# Altium PCB 2m_DBoard_RX.PcbDoc (part 1 of 3) (continued)
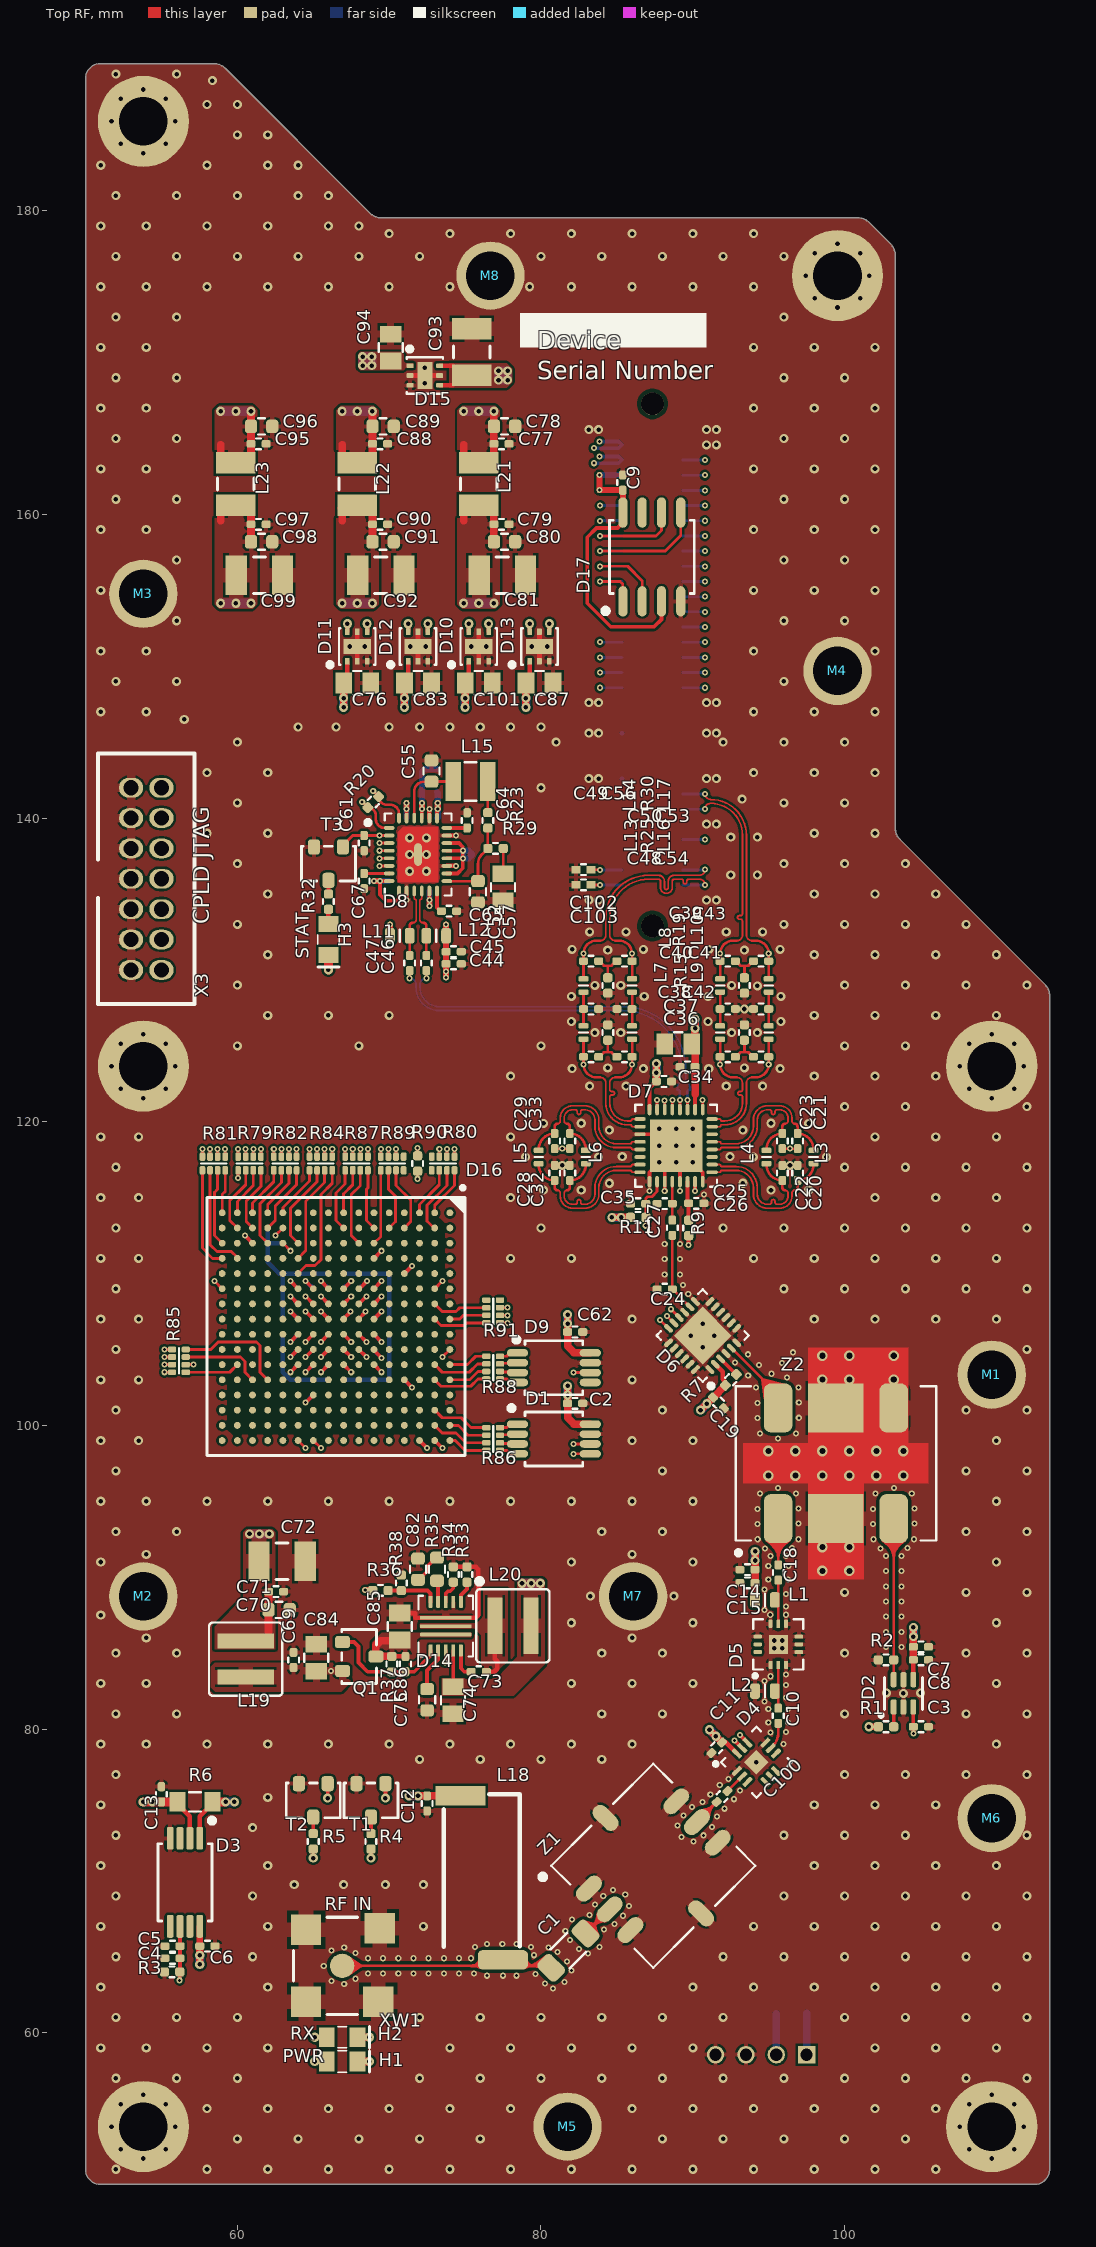
[diagram p0: Top RF view]
## Components (designator, comment, footprint, x,y, rotation, side; value= is the part's Value field where it differs from the comment) (continued)
C95 "CAP" C0402#1 61.4,164.65 r180 top value=0.1uF
C96 "CAP" C0603 61.6,165.8 r180 top value=220pF
C97 "CAP" C0402#1 61.4,159.35 r180 top value=0.1uF
C98 "CAP" C0603 61.6,158.2 r180 top value=220pF
C99 "CAP uF" C1210 61.45,156 r180 top value=100uF
C100 "CAP" C0402#1 91.929,75.554 r45 top value=1000pF
C101 "CAP" C0805 75.9,148.9 r0 top value=1uF
C102 "CAP" C0402#2 82.8,136.6 r0 top value=10nF
C103 "CAP" C0402#2 82.8,135.6 r0 top value=10nF
C200 "CAP" C0402#1 66,109.5 r270 bottom value=0.1uF
C201 "CAP" C0402#1 65,109.5 r270 bottom value=0.1uF
C202 "CAP" C0402#1 63.5,108 r0 bottom value=0.1uF
C203 "CAP" C0402#1 63.5,107 r0 bottom value=0.1uF
C204 "CAP" C0402#1 66,103.5 r90 bottom value=0.1uF
C205 "CAP" C0402#1 65,103.5 r90 bottom value=0.1uF
C206 "CAP" C0402#1 63.5,105 r0 bottom value=0.1uF
C207 "CAP" C0402#1 63.5,106 r0 bottom value=0.1uF
C208 "CAP" C0402#1 69.5,108 r180 bottom value=0.1uF
C209 "CAP" C0402#1 69.5,107 r180 bottom value=0.1uF
C210 "CAP" C0402#1 68,109.5 r270 bottom value=0.1uF
C211 "CAP" C0402#1 67,109.5 r270 bottom value=0.1uF
C212 "CAP" C0402#1 69.5,105 r180 bottom value=0.1uF
C213 "CAP" C0402#1 69.5,106 r180 bottom value=0.1uF
C214 "CAP" C0402#1 67,103.5 r90 bottom value=0.1uF
C215 "CAP" C0402#1 68.5,111 r180 bottom value=1uF
C216 "CAP" C0402#1 61.5,112 r0 bottom value=0.1uF
C217 "CAP" C0402#1 65.5,102 r0 bottom value=0.1uF
C218 "CAP" C0402#1 70.5,103 r180 bottom value=0.1uF
C219 "CAP" C0402#1 70.5,110 r180 bottom value=0.1uF
D1 "AD7922" MSOP-8 80.85,99.1 r0 top
D2 "LT5534" SC70 103.875,82.35 r90 top
D3 "INA168-Q1" "TSSOP (8)" 56.55,69.9 r270 top
D4 "PE43205" QFN-12 94.191,77.811 r45 top
D5 "PMA3-83LNW+" DQ1225 95.63,85.575 r90 top
D6 "PE43711" QFN-24 90.648,105.917 r135 top
D7 "LTC5594" QFN-32 88.9,118.425 r90 top
D8 "LTC6948-1" QFN-28 71.9,137.6 r0 top
D9 "AD7922" MSOP-8 80.85,103.8 r0 top
D10 "LP5912" WSON-6 75.9,151.3 r90 top
D11 "LP5912" WSON-6 67.9,151.3 r90 top
D12 "LP5912" WSON-6 71.9,151.3 r90 top
D13 "LP5912" WSON-6 79.9,151.3 r90 top
D14 "TPS611781" TPS611781x 73.725,86.775 r270 top
D15 "LP5912" WSON-6 72.35,169.15 r0 top
D16 "XC2C256-7FTG256C" FTG256 66.5,106.5 r270 top
D17 "24LC024" SOIC_SN8 87.3,157.2 r90 top
H1 "PWR" LED_0805_Green 66.9,58.1 r0 top
H2 "RX" LED_0805_Green 66.9,59.7 r0 top
H3 "STAT" LED_0805_Green 66,132 r270 top
L1 "Inductor RF" L0603_HP 94.75,88.5 r180 top value=82nH
L2 "Inductor RF" L0603_HP 94.75,82.5 r0 top value=18nH
L3 "Inductor RF" L0402HPH 97.95,117.675 r90 top value=68nH
L4 "Inductor RF" L0402HPH 94.85,117.675 r90 top value=68nH
L5 "Inductor RF" L0402HPH 79.85,117.675 r90 top value=68nH
L6 "Inductor RF" L0402HPH 82.95,117.675 r90 top value=68nH
L7 "Inductor RF" L0402HPH 91.8,125.875 r90 top value=120nH
L8 "Inductor RF" L0402HPH 91.8,128.975 r90 top value=120nH
L9 "Inductor RF" L0402HPH 95,125.875 r90 top value=120nH
L10 "Inductor RF" L0402HPH 95,128.975 r90 top value=120nH
L11 "Inductor RF" L0603_HP 70.7,132.25 r180 top value=180nH
L12 "Inductor RF" L0603_HP 73.1,132.25 r0 top value=180nH
L13 "Inductor RF" L0402HPH 82.8,125.875 r90 top value=120nH
L14 "Inductor RF" L0402HPH 82.8,128.975 r90 top value=120nH
L15 "Inductor" L1008_LS 75.35,142.409 r180 top value=5.6uH
L16 "Inductor RF" L0402HPH 86,125.875 r90 top value=120nH
L17 "Inductor RF" L0402HPH 86,128.975 r90 top value=120nH
L18 "Inductor RF" 4310LC 76.095,70.2 r270 top value=1.3uH
L19 "Inductor PWR" XAL4020 60.55,84.6 r90 top value=2.2uH
L20 "Inductor PWR" XAL4030 78.15,86.8 r180 top value=4.7uH
L21 "Inductor LF" "L1210_Murata LQH" 75.9,162 r270 top value=1uH
L22 "Inductor LF" "L1210_Murata LQH" 67.9,162 r270 top value=1uH
L23 "Inductor LF" "L1210_Murata LQH" 59.9,162 r270 top value=1uH
M1 "Via" Mechanical_Via_2.6x4.2 109.69,103.34 r0 top
M2 "Via" Mechanical_Via_2.6x4.2 53.81,88.735 r0 top
M3 "Via" Mechanical_Via_2.6x4.2 53.81,154.775 r0 top
M4 "Via" Mechanical_Via_2.6x4.2 99.53,149.695 r0 top
M5 "Via" Mechanical_Via_2.6x4.2 81.75,53.81 r0 top
M6 "Via" Mechanical_Via_2.6x4.2 109.69,74.13 r0 top
M7 "Via" Mechanical_Via_2.6x4.2 86.068,88.735 r0 top
M8 "Via" Mechanical_Via_2.6x4.2 76.67,175.73 r0 top
Q1 "IRLML2244" SOT-23 68.025,84.775 r90 top
R1 "RES" R0402 102.725,80.15 r0 top value=1k
R2 "RES" R0402 102.725,84.55 r180 top value=49.9
R3 "RES" R0402 55.7,64 r0 top value=100k
R4 "RES" R0402 68.8,72.6 r270 top value=68
R5 "RES" R0402 65,72.6 r90 top value=68
R6 "RES" R0805 57.2,75.2 r0 top value=0.1
R7 "RES" R0402 92.504,103 r45 top value=1k
R8 "RES" R0402 96.9,117.675 r270 bottom value=49.9
R9 "RES" R0402 89.725,113 r90 top value=33
R10 "RES" R0402 80.9,117.675 r270 bottom value=49.9
R11 "RES" R0402 86.4,113.7 r0 top value=40.2k
R12 "RES" R0402 92.3,124.275 r0 bottom value=68.1
R13 "RES" R0402 92.3,130.575 r0 bottom value=200
R14 "RES" R0402 93.4,125.875 r270 bottom value=91
R15 "RES" R0402 93.4,125.875 r90 top value=24.9
R16 "RES" R0402 94.5,124.275 r0 bottom value=68.1
R17 "RES" R0402 93.4,128.975 r270 bottom value=0
R18 "RES" R0402 94.5,130.575 r0 bottom value=200
R19 "RES" R0402 93.4,128.975 r270 top value=24.9
R20 "RES" R0402 68.95,141.05 r225 top value=100
R21 "RES" R0402 83.3,124.275 r0 bottom value=68.1
R22 "RES" R0402 83.3,130.575 r0 bottom value=200
R23 "RES" R0402 76.5,139.85 r270 top value=47
R24 "RES" R0402 84.4,125.875 r270 bottom value=91
R25 "RES" R0402 84.4,125.875 r90 top value=24.9
R26 "RES" R0402 85.5,124.275 r0 bottom value=68.1
R27 "RES" R0402 84.4,128.975 r270 bottom value=0
R28 "RES" R0402 85.5,130.575 r0 bottom value=200
R29 "RES" R0402 77.008,138 r0 top value=28.7
R30 "RES" R0402 84.4,128.975 r270 top value=24.9
R31 "RES" R0603 73.15,142.462 r270 bottom value=15
R32 "RES" R0402 66,134.5 r270 top value=68
R33 "RES" R0402 75.125,90.175 r270 top value=71.5k
R34 "RES" R0402 74.225,90.175 r270 top value=681k
R35 "RES" R0603 73.15,90.525 r270 top value=23.7k
R36 "RES" R0402 69.425,89.125 r180 top value=732k
R37 "RES" R0402 70.175,84.275 r90 top value=178k
R38 "RES" R0402 70.8,89.625 r270 top value=80.6k
R79 "RES 4x0402" EXN8V 60.8,117.25 r0 top value=33
R80 "RES 4x0402" EXN8V 73.55,117.25 r0 top value=33
R81 "RES 4x0402" EXN8V 58.45,117.25 r0 top value=33
R82 "RES 4x0402" EXN8V 63.15,117.25 r0 top value=33
R84 "RES 4x0402" EXN8V 65.5,117.25 r0 top value=33
R85 "RES 4x0402" EXN8V 56.15,104.25 r90 top value=33
R86 "RES 4x0402" EXN8V 76.85,99.1 r90 top value=33
R87 "RES 4x0402" EXN8V 67.85,117.25 r0 top value=33
R88 "RES 4x0402" EXN8V 76.85,103.8 r270 top value=33
R89 "RES 4x0402" EXN8V 70.2,117.25 r0 top value=33
R90 "RES" R0402 71.875,117.25 r90 top value=33
R91 "RES 4x0402" EXN8V 76.85,107.5 r270 top value=33
T1 "2N7002" SOT-23 68.8,75.3 r0 top
T2 "2N7002" SOT-23 65,75.3 r0 top
T3 "2N7002" SOT-23 66,137 r0 top
X1 "DBoard" "DBoard - half - MB" 87.338,150.33 r180 bottom locked value="Molex 714390164"
X2 "353630460" CON_353630460 97.498,58.547 r0 bottom
X3 "JTAG" "JTAG Mail 2mm" 54,136 r270 top
XW1 "50 Ом" "MOLEX SD-73251-135 (Gold)" 66.9,64.4 r0 top
Z1 "RHP-260+" GP731 87.4,71 r315 top
Z2 "SYD-20-33+" AH202 99.425,97.5 r0 top value=RHP-260+

## Footprints (in the part's own frame and the unit in brackets; to place one, negate y for a bottom-side part, rotate by r counter-clockwise, add the part's x,y. Pads: shape width x height; smd on the part's side, far side on the other; paste and mask are expansions set on the pad)
4310LC [mm] "Wideband Bias Choke"
  rect 1.27x3.3 smd: 1(-5.4,-1.395)
  rrect50% 1.27x3.3 smd: 2(5.4,1.395)
  silkscreen extent -5.5,-2.5 4.55,2.5, body extent -5.62,-2.49 5.67,2.59, height 3.39
AH202 [mil] "Mini-Circuits"
  rrect50% 74x127 smd: FWD(150,-143.5) GND(150,143.5) IN(-150,-143.5) OUT(-150,143.5)
  rect 144x127 smd: GND(0,-143.5) GND(0,143.5)
  Top RF region: -240,52 -72,52 -72,300 187,300 187,52 240,52 240,-52 72,-52 72,-300 -72,-300 -72,-52 -240,-52
  silkscreen extent -260,-237 260,200, body extent -250,-190 250,190, height 251
C0402#1 [mm] "Chip Capacitor, Body 1.0x0.5mm, IPC High Density"
  rrect50% 0.6x0.5 smd: 1(-0.5,0) 2(0.5,0)
  silkscreen extent -0.15,-0.36 0.15,0.36, body extent -0.5,-0.25 0.5,0.25, height 0.49
C0402#2 [mm] "Chip Capacitor, Body 1.0x0.5mm, IPC High Density"
  rect 0.6x0.5 smd: 1(-0.5,0) 2(0.5,0)
  silkscreen extent -0.15,-0.36 0.15,0.36, body extent -0.5,-0.25 0.5,0.25, height 0.49
C0603 [mm] "Chip Capacitor, Body 1.6x0.8mm, IPC High Density"
  rrect50% 0.8x0.9 smd: 1(-0.7,0) 2(0.7,0)
  silkscreen extent -0.23,-0.53 0.23,0.53, body extent -0.8,-0.4 0.8,0.4, height 0.79
C0805 [mm] "Chip Capacitor, Body 2.0x1.3mm, IPC High Density"
  rect 1.1x1.4 smd: 1(-0.889,0) 2(0.889,0)
  silkscreen extent -0.28,-0.79 0.28,0.79, body extent -1,-0.62 1,0.62, height 0.59
C1206 [mm]
  rrect50% 1.25x1.7 smd: 1(-1.6,0) 2(1.6,0)
  silkscreen extent -0.76,-0.89 0.76,0.89, body extent -1.6,-0.8 1.6,0.8, height 0.77
C1210 [mm] "Chip Capacitor, Body 3.2x2.5mm, IPC High Density"
  rect 1.4x2.6 smd: 1(-1.524,0) 2(1.524,0)
  silkscreen extent -0.4,-1.2 0.4,1.2, body extent -1.6,-1.25 1.6,1.25, height 0.77
CON_353630460 [mm]
  rect 1.15x1.15 hole 0.8 mask+0.076: 1(0,0)
  round 1.15 hole 0.8 mask+0.076: 2(-2,0) 3(-4,0) 4(-6,0)
  silkscreen extent -8.2,-2 2.2,8, body extent -8.15,-1.95 2.15,8.55, height 5.55
"DBoard - half - MB" [mil] "USRP DBoard"
  round 236.22 hole 125.98: 0(-880,-3800) 0(-880,-1050) 0(-480,1000) 0(1320,-3800) 0(1320,-1050) 0(1320,1400)
  round 59.06 hole 59.06 unplated: 0(0,-686.85) 0(0,667.48)
  oval 92x24 smd: 65(78.74,600.55) 66(-78.74,600.55) 67(78.74,561.18) 68(-78.74,561.18) 69(78.74,521.81) 70(-78.74,521.81) 71(78.74,482.44) 72(-78.74,482.44) 73(78.74,443.07) 74(-78.74,443.07) 75(78.74,403.7) 76(-78.74,403.7) 77(78.74,364.33) 78(-78.74,364.33) 79(78.74,324.96) 80(-78.74,324.96) 81(78.74,285.59) 82(-78.74,285.59) 83(78.74,246.22) 84(-78.74,246.22) 85(78.74,206.85) 86(-78.74,206.85) 87(78.74,167.48) 88(-78.74,167.48) 89(78.74,128.11) 90(-78.74,128.11) 91(78.74,88.74) 92(-78.74,88.74) 93(78.74,49.37) 94(-78.74,49.37) 95(78.74,10) 96(-78.74,10) 97(78.74,-29.37) 98(-78.74,-29.37) 99(78.74,-68.74) 100(-78.74,-68.74) 101(78.74,-108.11) 102(-78.74,-108.11) 103(78.74,-147.48) 104(-78.74,-147.48) 105(78.74,-186.85) 106(-78.74,-186.85) 107(78.74,-226.22) 108(-78.74,-226.22) 109(78.74,-265.59) 110(-78.74,-265.59) 111(78.74,-304.96) 112(-78.74,-304.96) 113(78.74,-344.33) 114(-78.74,-344.33) 115(78.74,-383.7) 116(-78.74,-383.7) 117(78.74,-423.07) 118(-78.74,-423.07) 119(78.74,-462.44) 120(-78.74,-462.44) 121(78.74,-501.81) 122(-78.74,-501.81) 123(78.74,-541.18) 124(-78.74,-541.18) 125(78.74,-580.55) 126(-78.74,-580.55) 127(78.74,-619.92) 128(-78.74,-619.92)
  silkscreen extent -126,-726 126,707, body extent -5281,-1204 1496,3521, height 534
DQ1225 [mm] "QFN, 12-Leads, Body 3,00x3,00mm, Pitch 0,51mm, Thermal Pad 1,45x1,45mm, IPC Medium Density"
  rrect50% 0.55x0.25 smd: 1(-1.355,0.51) 2(-1.355,0) 3(-1.355,-0.51) 7(1.355,-0.51) 8(1.355,0) 9(1.355,0.51)
  rrect50% 0.25x0.55 smd: 4(-0.51,-1.355) 5(0,-1.355) 6(0.51,-1.355) 10(0.51,1.355) 11(0,1.355) 12(-0.51,1.355)
  rect 1.25x1.25 all layers, no hole mask+0.102: 13(0,0)
  silkscreen extent -2.2,-1.65 1.65,1.65, body extent -1.51,-1.51 1.51,1.51, height 0.78
EXN8V [mm] "Resistor Array 4x0402 0804"
  rrect50% 0.375x0.55 smd: 1(-0.75,-0.45) 2(-0.25,-0.45) 3(0.25,-0.45) 4(0.75,-0.45) 5(0.75,0.45) 6(0.25,0.45) 7(-0.25,0.45) 8(-0.75,0.45)
  silkscreen extent -0.84,0 0.84,0, body extent -1,-0.5 1,0.5, height 0.4
FTG256 [mm] "BGA, 256-Leads, Body 17x17mm, Pitch 1mm"
  round 0.45 smd: A1(-7.5,7.5) A2(-6.5,7.5) A3(-5.5,7.5) A4(-4.5,7.5) A5(-3.5,7.5) A6(-2.5,7.5) A7(-1.5,7.5) A8(-0.5,7.5) A9(0.5,7.5) A10(1.5,7.5) A11(2.5,7.5) A12(3.5,7.5) A13(4.5,7.5) A14(5.5,7.5) A15(6.5,7.5) A16(7.5,7.5) B1(-7.5,6.5) B2(-6.5,6.5) B3(-5.5,6.5) B4(-4.5,6.5) B5(-3.5,6.5) B6(-2.5,6.5) B7(-1.5,6.5) B8(-0.5,6.5) B9(0.5,6.5) B10(1.5,6.5) B11(2.5,6.5) B12(3.5,6.5) B13(4.5,6.5) B14(5.5,6.5) B15(6.5,6.5) B16(7.5,6.5) C1(-7.5,5.5) C2(-6.5,5.5) C3(-5.5,5.5) C4(-4.5,5.5) C5(-3.5,5.5) C6(-2.5,5.5) C7(-1.5,5.5) C8(-0.5,5.5) C9(0.5,5.5) C10(1.5,5.5) C11(2.5,5.5) C12(3.5,5.5) C13(4.5,5.5) C14(5.5,5.5) C15(6.5,5.5) C16(7.5,5.5) D1(-7.5,4.5) D2(-6.5,4.5) D3(-5.5,4.5) D4(-4.5,4.5) D5(-3.5,4.5) D6(-2.5,4.5) D7(-1.5,4.5) D8(-0.5,4.5) D9(0.5,4.5) D10(1.5,4.5) D11(2.5,4.5) D12(3.5,4.5) D13(4.5,4.5) D14(5.5,4.5) D15(6.5,4.5) D16(7.5,4.5) E1(-7.5,3.5) E2(-6.5,3.5) E3(-5.5,3.5) E4(-4.5,3.5) E5(-3.5,3.5) E6(-2.5,3.5) E7(-1.5,3.5) E8(-0.5,3.5) E9(0.5,3.5) E10(1.5,3.5) E11(2.5,3.5) E12(3.5,3.5) E13(4.5,3.5) E14(5.5,3.5) E15(6.5,3.5) E16(7.5,3.5) F1(-7.5,2.5) F2(-6.5,2.5) F3(-5.5,2.5) F4(-4.5,2.5) F5(-3.5,2.5) F6(-2.5,2.5) F7(-1.5,2.5) F8(-0.5,2.5) F9(0.5,2.5) F10(1.5,2.5) F11(2.5,2.5) F12(3.5,2.5) F13(4.5,2.5) F14(5.5,2.5) F15(6.5,2.5) F16(7.5,2.5) G1(-7.5,1.5) G2(-6.5,1.5) G3(-5.5,1.5) G4(-4.5,1.5) G5(-3.5,1.5) G6(-2.5,1.5) G7(-1.5,1.5) G8(-0.5,1.5) G9(0.5,1.5) G10(1.5,1.5) G11(2.5,1.5) G12(3.5,1.5) G13(4.5,1.5) G14(5.5,1.5) G15(6.5,1.5) G16(7.5,1.5) H1(-7.5,0.5) H2(-6.5,0.5) H3(-5.5,0.5) H4(-4.5,0.5) H5(-3.5,0.5) H6(-2.5,0.5) H7(-1.5,0.5) H8(-0.5,0.5) H9(0.5,0.5) H10(1.5,0.5) H11(2.5,0.5) H12(3.5,0.5) H13(4.5,0.5) H14(5.5,0.5) H15(6.5,0.5) H16(7.5,0.5) J1(-7.5,-0.5) J2(-6.5,-0.5) J3(-5.5,-0.5) J4(-4.5,-0.5) J5(-3.5,-0.5) J6(-2.5,-0.5) J7(-1.5,-0.5) J8(-0.5,-0.5) J9(0.5,-0.5) J10(1.5,-0.5) J11(2.5,-0.5) J12(3.5,-0.5) J13(4.5,-0.5) J14(5.5,-0.5) J15(6.5,-0.5) J16(7.5,-0.5) K1(-7.5,-1.5) K2(-6.5,-1.5) K3(-5.5,-1.5) K4(-4.5,-1.5) K5(-3.5,-1.5) K6(-2.5,-1.5) K7(-1.5,-1.5) K8(-0.5,-1.5) K9(0.5,-1.5) K10(1.5,-1.5) K11(2.5,-1.5) K12(3.5,-1.5) K13(4.5,-1.5) K14(5.5,-1.5) K15(6.5,-1.5) K16(7.5,-1.5) L1(-7.5,-2.5) L2(-6.5,-2.5) L3(-5.5,-2.5) L4(-4.5,-2.5) L5(-3.5,-2.5) L6(-2.5,-2.5) L7(-1.5,-2.5) L8(-0.5,-2.5) L9(0.5,-2.5) L10(1.5,-2.5) L11(2.5,-2.5) L12(3.5,-2.5) L13(4.5,-2.5) L14(5.5,-2.5) L15(6.5,-2.5) L16(7.5,-2.5) M1(-7.5,-3.5) M2(-6.5,-3.5) M3(-5.5,-3.5) M4(-4.5,-3.5) M5(-3.5,-3.5) M6(-2.5,-3.5) M7(-1.5,-3.5) M8(-0.5,-3.5) M9(0.5,-3.5) M10(1.5,-3.5) M11(2.5,-3.5) M12(3.5,-3.5) M13(4.5,-3.5) M14(5.5,-3.5) M15(6.5,-3.5) M16(7.5,-3.5) N1(-7.5,-4.5) N2(-6.5,-4.5) N3(-5.5,-4.5) N4(-4.5,-4.5) N5(-3.5,-4.5) N6(-2.5,-4.5) N7(-1.5,-4.5) N8(-0.5,-4.5) N9(0.5,-4.5) N10(1.5,-4.5) N11(2.5,-4.5) N12(3.5,-4.5) N13(4.5,-4.5) N14(5.5,-4.5) N15(6.5,-4.5) N16(7.5,-4.5) P1(-7.5,-5.5) P2(-6.5,-5.5) P3(-5.5,-5.5) P4(-4.5,-5.5) P5(-3.5,-5.5) P6(-2.5,-5.5) P7(-1.5,-5.5) P8(-0.5,-5.5) P9(0.5,-5.5) P10(1.5,-5.5) P11(2.5,-5.5) P12(3.5,-5.5) P13(4.5,-5.5) P14(5.5,-5.5) P15(6.5,-5.5) P16(7.5,-5.5) R1(-7.5,-6.5) R2(-6.5,-6.5) R3(-5.5,-6.5) R4(-4.5,-6.5) R5(-3.5,-6.5) R6(-2.5,-6.5) R7(-1.5,-6.5) R8(-0.5,-6.5) R9(0.5,-6.5) R10(1.5,-6.5) R11(2.5,-6.5) R12(3.5,-6.5) R13(4.5,-6.5) R14(5.5,-6.5) R15(6.5,-6.5) R16(7.5,-6.5) T1(-7.5,-7.5) T2(-6.5,-7.5) T3(-5.5,-7.5) T4(-4.5,-7.5) T5(-3.5,-7.5) T6(-2.5,-7.5) T7(-1.5,-7.5) T8(-0.5,-7.5) T9(0.5,-7.5) T10(1.5,-7.5) T11(2.5,-7.5) T12(3.5,-7.5) T13(4.5,-7.5) T14(5.5,-7.5) T15(6.5,-7.5) T16(7.5,-7.5)
  silkscreen extent -9.27,-8.5 8.5,8.5, body extent -8.5,-8.5 8.5,8.5, height 1.7
GP731 [mm] "Low Pass Filter"
  oval 2x1.02 smd: GND(-4.451,0) GND(4.451,0)
  oval 1.02x2 smd: GND(-1.93,4.065) GND(-1.93,-4.065) GND(1.93,-4.065) GND(1.93,4.065) IN(0,-4.065) OUT(0,4.065)
  silkscreen extent -4.8,-5.85 4.75,4.75, body extent -4.45,-4.45 4.46,4.46, height 2.54
"JTAG Mail 2mm" [mm] "2.00mm Pitch, Milli-Grid PCB Header, Dual Row, Vertical, Through Hole, Shrouded, 14  Circuits"
  oval 1.3x1.6 hole 1: 1(-6,-1) 2(-6,1) 3(-4,-1) 4(-4,1) 5(-2,-1) 6(-2,1) 7(0,-1) 8(0,1) 9(2,-1) 10(2,1) 11(4,-1) 12(4,1) 13(6,-1) 14(6,1)
  silkscreen extent -8.25,-3.18 8.25,3.18, body extent -8.32,-3.15 8.33,3.15, height 6.45
L0402HPH [mm]
  rrect50% 0.36x0.66 smd: 1(-0.435,0) 2(0.435,0)
  silkscreen extent 0,-0.28 0,0.28, body extent -0.56,-0.33 0.56,0.34, height 0.6
L0603_HP [mm]
  rrect50% 0.64x1.02 smd: 1(-0.65,0) 2(0.65,0)
  silkscreen extent 0,-0.41 0,0.41, body extent -0.88,-0.54 0.87,0.55, height 0.93
L1008_LS [mm]
  rect 1.02x2.54 smd: 1(-1.145,0) 2(1.145,0)
  silkscreen extent -0.38,-1.27 0.38,1.27, body extent -1.46,-1.39 1.46,1.4, height 2.02
"L1210_Murata LQH" [mm] "Power Lines Inductor"
  rect 1.4x2.6 smd: 1(-1.397,0) 2(1.397,0)
  silkscreen extent -0.4,-1.2 0.4,1.2, body extent -1.6,-1.25 1.6,1.25, height 1.55
LED_0805_Green [mm]
  rect 1.05x1.3 smd: 1(-1.01,0) 2(1.01,0)
  silkscreen extent -0.3,-0.7 1.8,0.7, body extent -1.01,-0.62 1.01,0.63, height 1.1
Mechanical_Via_2.6x4.2 [mm] "Mechanical_Via"
  round 4.5 hole 3.2: 0(0,0)
"MOLEX SD-73251-135 (Gold)" [mm]
  rect 2x2 smd: G(-2.375,-2.375) G(-2.375,2.375) G(2.375,-2.375) G(2.475,2.475)
  round 1.6 smd: S(0,0)
  silkscreen extent -3.2,-3.2 1,3.2, body extent -3.17,-3.17 3.18,3.18, height 9.52
MSOP-8 [mm] "MSOP, 8-Leads"
  oval 1.4x0.5 smd: 1(-2.4,0.975) 2(-2.4,0.325) 3(-2.4,-0.325) 4(-2.4,-0.975) 5(2.4,-0.975) 6(2.4,-0.325) 7(2.4,0.325) 8(2.4,0.975)
  silkscreen extent -2.95,-1.78 1.91,2.19, body extent -2.57,-1.6 2.58,1.6, height 1.01
QFN-12 [mm]
  rrect50% 0.75x0.28 smd: 1(-1.325,0.5) 2(-1.325,0) 3(-1.325,-0.5) 7(1.325,-0.5) 8(1.325,0) 9(1.325,0.5)
  rrect50% 0.28x0.75 smd: 4(-0.5,-1.325) 5(0,-1.325) 6(0.5,-1.325) 10(0.5,1.325) 11(0,1.325) 12(-0.5,1.325)
  rect 1.15x1.15 all layers, no hole mask+0.102: 13(0,0)
  silkscreen extent -2.11,-1.65 1.65,1.95, body extent -1.5,-1.5 1.51,1.51, height 0.9
QFN-24 [mm] "QFN, 24-Leads, Body 4,00x4,00mm, Pitch 0,50mm, Thermal Pad 2,70x2,70mm, IPC Medium Density"
  oval 0.7x0.3 smd: 1(-1.925,1.25) 2(-1.925,0.75) 3(-1.925,0.25) 4(-1.925,-0.25) 5(-1.925,-0.75) 6(-1.925,-1.25) 13(1.925,-1.25) 14(1.925,-0.75) 15(1.925,-0.25) 16(1.925,0.25) 17(1.925,0.75) 18(1.925,1.25)
  oval 0.3x0.7 smd: 7(-1.25,-1.925) 8(-0.75,-1.925) 9(-0.25,-1.925) 10(0.25,-1.925) 11(0.75,-1.925) 12(1.25,-1.925) 19(1.25,1.925) 20(0.75,1.925) 21(0.25,1.925) 22(-0.25,1.925) 23(-0.75,1.925) 24(-1.25,1.925)
  rect 2.7x2.7 all layers, no hole mask+0.102: 25(0,0)
  silkscreen extent -2.86,-2.15 2.15,2.15, body extent -2,-2.01 2.01,2, height 0.9
QFN-28 [mm] "QFN, 28-Leads, Body 4,00x5,00mm, Pitch 0,50mm, Thermal Pad 2,50x3,50mm, IPC Medium Density"
  oval 0.7x0.25 smd: 1(-1.9,1.75) 2(-1.9,1.25) 3(-1.9,0.75) 4(-1.9,0.25) 5(-1.9,-0.25) 6(-1.9,-0.75) 7(-1.9,-1.25) 8(-1.9,-1.75) 15(1.9,-1.75) 16(1.9,-1.25) 17(1.9,-0.75) 18(1.9,-0.25) 19(1.9,0.25) 20(1.9,0.75) 21(1.9,1.25) 22(1.9,1.75)
  oval 0.25x0.7 smd: 9(-1.25,-2.4) 10(-0.75,-2.4) 11(-0.25,-2.4) 12(0.25,-2.4) 13(0.75,-2.4) 14(1.25,-2.4) 23(1.25,2.4) 24(0.75,2.4) 25(0.25,2.4) 26(-0.25,2.4) 27(-0.75,2.4) 28(-1.25,2.4)
  oval 0.5x1.5 all layers, no hole mask+0.102: 29(0,0)
  Multi-Layer region: -1.325,1.469 -1.325,-1.825 1.325,-1.825 1.325,1.825 -0.969,1.825
  silkscreen extent -3.43,-2.7 2.2,2.7, body extent -2,-2.5 2,2.5, height 0.75
QFN-32 [mm] "QFN, 32-Leads, Body 5,00x5,00mm, Pitch 0,50mm, Thermal Pad 3,45x3,45mm, IPC Medium Density"
  oval 0.75x0.25 smd: 1(-2.375,1.75) 2(-2.375,1.25) 3(-2.375,0.75) 4(-2.375,0.25) 5(-2.375,-0.25) 6(-2.375,-0.75) 7(-2.375,-1.25) 8(-2.375,-1.75) 17(2.375,-1.75) 18(2.375,-1.25) 19(2.375,-0.75) 20(2.375,-0.25) 21(2.375,0.25) 22(2.375,0.75) 23(2.375,1.25) 24(2.375,1.75)
  oval 0.25x0.75 smd: 9(-1.75,-2.375) 10(-1.25,-2.375) 11(-0.75,-2.375) 12(-0.25,-2.375) 13(0.25,-2.375) 14(0.75,-2.375) 15(1.25,-2.375) 16(1.75,-2.375) 25(1.75,2.375) 26(1.25,2.375) 27(0.75,2.375) 28(0.25,2.375) 29(-0.25,2.375) 30(-0.75,2.375) 31(-1.25,2.375) 32(-1.75,2.375)
  rect 3.45x3.45 all layers, no hole mask+0.102: 33(0,0)
  silkscreen extent -3.3,-2.7 2.7,3.22, body extent -2.51,-2.51 2.51,2.51, height 0.75
R0402 [mil]
  rrect50% 23.62x24 smd: 1(-20,0) 2(20,0)
  silkscreen extent -6,-14 6,14, body extent -20,-12 20,12, height 13
R0603 [mm]
  rrect50% 0.8x0.9 smd: 1(-0.762,0) 2(0.762,0)
  silkscreen extent -0.23,-0.53 0.23,0.53, body extent -0.85,-0.4 0.85,0.4, height 0.56
R0805 [mm]
  rect 1.05x1.3 smd: 1(-1.15,0) 2(1.15,0)
  silkscreen extent -0.38,-0.64 0.38,0.64, body extent -1.15,-0.67 1.15,0.68, height 0.76
SC70 [mm]
  rrect50% 1x0.376 smd paste+0 mask+0: 1(-0.9,0.65) 2(-0.9,0) 3(-0.9,-0.65) 4(0.9,-0.65) 5(0.9,0) 6(0.9,0.65)
  silkscreen extent -1.55,-1.25 1.05,1.57, body extent -1.07,-1 1.03,1, height 1
SOIC_SN8 [mm]
  oval 2x0.6 smd: 1(-2.921,1.905) 2(-2.921,0.635) 3(-2.921,-0.635) 4(-2.921,-1.905) 5(2.921,-1.905) 6(2.921,-0.635) 7(2.921,0.635) 8(2.921,1.905)
  silkscreen extent -3.72,-2.79 2.41,3.22, body extent -3.1,-2.5 3.1,2.5, height 1.75
SOT-23 [mm]
  rrect50% 0.8x1 smd: 1(0.95,1.1) 2(-0.95,1.1) 3(0,-1.1)
  silkscreen extent -1.78,-1.14 1.78,1.14, body extent -1.5,-1.25 1.5,1.25, height 1.09
TPS611781x [mm] "QFN, 24-Leads, Body 4,00x4,00mm, Pitch 0,50mm, PLASTIC SMALL OUTLINE - NO LEAD"
  rrect50% 0.8x0.25 smd: 1(-1.6,1) 2(-1.6,0.5) 3(-1.6,0) 4(-1.6,-0.5) 5(-1.6,-1) 9(1.6,-1) 10(1.6,-0.5) 11(1.6,0) 12(1.6,0.5) 13(1.6,1)
  rrect50% 0.25x3.4 smd: 6(-0.55,0) 7(0,0) 8(0.55,0)
  silkscreen extent -3.12,-1.8 2,2.4, body extent -1.74,-1.51 1.76,1.49, height 1.02
"TSSOP (8)" [mm] "TSSOP, 8-Leads"
  rrect50% 1.5x0.45 smd: 1(-2.9,0.975) 2(-2.9,0.325) 3(-2.9,-0.325) 4(-2.9,-0.975) 5(2.9,-0.975) 6(2.9,-0.325) 7(2.9,0.325) 8(2.9,0.975)
  silkscreen extent -4.22,-1.78 2.54,1.93, body extent -3.2,-1.5 3.2,1.5, height 1.2
WSON-6 [mm] "PLASTIC SMALL OUTLINE - NO LEAD"
  rect 1x1.8 all layers, no hole mask+0.102: 0(0,0)
  rrect25% 0.45x0.3 smd: 1(-0.975,0.65) 2(-0.975,0) 3(-0.975,-0.65) 4(0.975,-0.65) 5(0.975,0) 6(0.975,0.65)
  silkscreen extent -1.33,-1.2 1.2,1.93, body extent -1.01,-1 1.01,1, height 0.8
XAL4020 [mm]
  rect 0.98x3.7 smd: 1(-1.185,0)
  rect 0.98x3.7 smd paste+0.1: 2(1.185,0)
  silkscreen extent -2.41,-2.41 2.41,2.41, body extent -2.15,-2.15 2.15,2.15, height 2.13
XAL4030 [mm]
  rect 0.98x3.7 smd: 1(-1.185,0) 2(1.185,0)
  silkscreen extent -2.41,-2.41 2.41,2.41, body extent -2.15,-2.15 2.15,2.15, height 3.13

## Part data
C1: "SMD Capacitor", Manufacturer=Murata, Supplier Part Number 1=490-8335-1-ND, Tolerance=5%, Voltage=50V, Material=NP0, P/N=GRM31C5C1H104JA01K, Supplier 1=Digi-Key, Supplier 2=Mouser, Supplier 3=Farnell, Supplier Part Number 2=81-GRM31C5C1H104JA1K, Type="Ceramic Capacitor"
C2 C3 C4 C6 C7 C44 C62 C66 C67 C68 C200 C201 C202 C203 C204 C205 C206 C207 C208 C209 C210 C211 C212 C213 C214 C216 C217 C218 C219: "SMD Capacitor", Manufacturer=Murata, Supplier Part Number 1=490-6322-1-ND, Tolerance=10%, Voltage=10V, Material=X7R, P/N=GRM155R71A104KA01J, Supplier 1=Digi-key, Supplier 2=Mouser, Supplier 3=Farnell, Supplier Part Number 2=81-GRM155R71A104KA1J, Type="Ceramic Capacitor"
C5 C8 C10 C18 C45: "SMD Capacitor", Manufacturer=Murata, Supplier Part Number 1=490-8180-1-ND, Tolerance=1%, Voltage=50V, Material=NP0, P/N=GRM1555C1H101FA01D, Supplier 1=Digi-key, Supplier 2=Mouser, Supplier 3=Farnell, Supplier Part Number 2=81-GRM1555C1H101FA1D, Type="Ceramic Capacitor"
C9 C11 C12 C13 C14 C16 C17 C19 C35 C59 C60 C61 C63 C102 C103: "SMD Capacitor", Manufacturer=Murata, Supplier Part Number 1=490-1312-1-ND, Tolerance=10%, Voltage=25V, Material=X7R, P/N=GRM155R71E103KA01D, Supplier 1=Digi-key, Supplier 2=Mouser, Supplier 3=Farnell, Supplier Part Number 2=81-GRM36X103K25, Type="Ceramic Capacitor"
C15 C20 C22 C28 C32: "SMD Capacitor", Manufacturer=Murata, Supplier Part Number 1=490-6186-1-ND, Tolerance=1%, Voltage=50V, Material=NP0, P/N=GRM1555C1H100FA01D, Supplier 1=Digi-key, Supplier 2=Mouser, Supplier 3=Farnell, Supplier Part Number 2=81-GRM1555C1H100FA1D, Type="Ceramic Capacitor"
C21 C23 C29 C33 C39 C43 C49 C56: "SMD Capacitor", Manufacturer=Murata, Supplier Part Number 1=490-8589-1-ND, Tolerance=1%, Voltage=50V, Material=NP0, P/N=GRM1555C1H220FA01D, Supplier 1=Digi-key, Supplier 2=Mouser, Supplier 3=Farnell, Supplier Part Number 2=81-GRM1555C1H220FA1D, Type="Ceramic Capacitor"
C24: "SMD Capacitor", Manufacturer=Murata, Supplier Part Number 1=490-6259-1-ND, Tolerance=±0.05pF, Voltage=50V, Material=NP0, P/N=GRM1555C1HR10WA01D, Supplier 1=Digi-key, Supplier 2=Mouser, Supplier 3=Farnell, Supplier Part Number 2=81-GRM1555C1HR10WA1D, Type="Ceramic Capacitor"
C25: "SMD Capacitor", Manufacturer=Murata, Supplier Part Number 1=490-GJM1555C1H3R1WB01DCT-ND, Tolerance=±0.05pF, Voltage=50V, Material=NP0, P/N=GJM1555C1H3R1WB01D, Supplier 1=Digi-key, Supplier 2=Mouser, Supplier 3=Farnell, Supplier Part Number 2=81-GJM1555C1H3R1WB1D, Type="Ceramic Capacitor"
C26 C27 C36 C100: "SMD Capacitor", Manufacturer=Murata, Supplier Part Number 1=490-3244-1-ND, Tolerance=5%, Voltage=50V, Material=NP0, P/N=GRM1555C1H102JA01D, Supplier 1=Digi-key, Supplier 2=Mouser, Supplier 3=Farnell, Supplier Part Number 2=81-GRM1555C1H102JA1D, Type="Ceramic Capacitor"
C30 C31: "SMD Capacitor", Manufacturer=Murata, Supplier Part Number 1=490-6261-1-ND, Tolerance=±0.05pF, Voltage=50V, Material=NP0, P/N=GRM1555C1HR30WA01D, Supplier 1=Digi-key, Supplier 2=Mouser, Supplier 3=Farnell, Supplier Part Number 2=81-GRM1555C1HR30WA1D, Type="Ceramic Capacitor"
C34 C58 C64 C65 C215: "SMD Capacitor", Manufacturer=Murata, Supplier Part Number 1=490-13339-1-ND, Tolerance=10%, Voltage=6.3V, Material=X7R, P/N=GRM155R70J105KA12J, Supplier 1=Digi-key, Supplier 2=Mouser, Supplier 3=Farnell, Supplier Part Number 2=81-GRM155R70J105KA2J, Type="Ceramic Capacitor"
C37: "SMD Capacitor", Manufacturer=Murata, Supplier Part Number 1=490-10751-1-ND, Tolerance=10%, Voltage=50V, Material=X5R, P/N=GRM21BR61H475KE51L, Supplier 1=Digi-key, Supplier 2=Mouser, Supplier 3=Farnell, Supplier Part Number 2=81-GRM21BR61H475KE1L, Type="Ceramic Capacitor"
C38 C42 C48 C54: "SMD Capacitor", Manufacturer=Murata, Supplier Part Number 1=490-6196-1-ND, Tolerance=1%, Voltage=50V, Material=NP0, P/N=GRM1555C1H120FA01D, Supplier 1=Digi-key, Supplier 2=Mouser, Supplier 3=Farnell, Supplier Part Number 2=81-GRM1555C1H120FA1D, Type="Ceramic Capacitor"
C40 C41 C50 C53: "SMD Capacitor", Manufacturer=Murata, Supplier Part Number 1=490-9663-1-ND, Tolerance=1%, Voltage=50V, Material=NP0, P/N=GRM1555C1H390FA01D, Supplier 1=Digi-key, Supplier 2=Mouser, Supplier 3=Farnell, Supplier Part Number 2=81-GRM1555C1H390FA1D, Type="Ceramic Capacitor"
C46 C47: "SMD Capacitor", Manufacturer=Murata, Supplier Part Number 1=490-10686-1-ND, Tolerance=1%, Voltage=50V, Material=NP0, P/N=GRM1555C1H271FA01D, Supplier 1=Digi-key, Supplier 2=Mouser, Supplier 3=Farnell, Supplier Part Number 2=81-GRM1555C1H271FA1D, Type="Ceramic Capacitor"
C51: "SMD Capacitor", Manufacturer=Murata, Supplier Part Number 1=490-6418-1-ND, Tolerance=10%, Voltage=10V, Material=X7R, P/N=GRM188R71A225KE15J, Supplier 1=Digi-key, Supplier 2=Mouser, Supplier 3=Farnell, Supplier Part Number 2=81-GRM188R71A225KE5J, Type="Ceramic Capacitor"
C52: "SMD Capacitor", Manufacturer=Murata, Supplier Part Number 1=490-11482-1-ND, Tolerance=5%, Voltage=50V, Material=NP0, P/N=GRM1885C1H822JA01D, Supplier 1=Digi-key, Supplier 2=Mouser, Supplier 3=Farnell, Supplier Part Number 2=81-GRM1885C1H822JA1D, Type="Ceramic Capacitor"
C55: "SMD Capacitor", Manufacturer=Murata, Supplier Part Number 1=490-16421-1-ND, Tolerance=1%, Voltage=50V, Material=NP0, P/N=GCM1885C1H222FA16D, Supplier 1=Digi-key, Supplier 2=Mouser, Supplier 3=Farnell, Supplier Part Number 2=81-GCM1885C1H222FA6D, Type="Ceramic Capacitor"
C57: "SMD Capacitor", Manufacturer=Murata, Supplier Part Number 1=490-8297-1-ND, Tolerance=5%, Voltage=50V, Material=NP0, P/N=GRM2195C1H113JA01D, Supplier 1=Digi-key, Supplier 2=Mouser, Supplier 3=Farnell, Supplier Part Number 2=81-GRM2195C1H113JA1D, Type="Ceramic Capacitor"
C69 C71 C73 C77 C79 C88 C90 C95 C97: "SMD Capacitor", Manufacturer=Murata, Supplier Part Number 1=490-6328-1-ND, Tolerance=10%, Voltage=16V, Material=X7R, P/N=GRM155R71C104KA88J, Supplier 1=Digi-key, Supplier 2=Mouser, Supplier 3=Farnell, Supplier Part Number 2=81-GRM155R71C104KA8J, Type="Ceramic Capacitor"
C70 C78 C80 C89 C91 C96 C98: "SMD Capacitor", Manufacturer=KEMET, Supplier Part Number 1=399-6869-1-ND, Tolerance=10%, Voltage=50V, Material=X7R, P/N=C0603C221K5RACAUTO, Supplier 1=Digi-key, Supplier 2=Mouser, Supplier 3=Farnell, Supplier Part Number 2=80-C0603C221K5RAUTO, Type="Ceramic Capacitor"
C72 C93: "SMD Capacitor", Manufacturer=Murata, Supplier Part Number 1=490-10531-1-ND, Tolerance=10%, Voltage=16V, Material=X6S, P/N=GRM32EC81C476KE15L, Supplier 2=Mouser, Supplier 3=Farnell, Supplier Part Number 2=81-GRM32EC81C476KE5L, Type="Ceramic Capacitor"
  C72: Supplier 1=Digi-Key
  C93: Supplier 1=Digi-key
C74 C84: "SMD Capacitor", Manufacturer=Murata, Supplier Part Number 1=490-10747-1-ND, Tolerance=±20%, Voltage=16V, Material=X5R, P/N=GRM21BR61C226ME44L, Supplier 2=Mouser, Supplier 3=Farnell, Supplier Part Number 2=81-GRM21BR61C226ME4L, Type="Ceramic Capacitor"
  C74: Supplier 1=Digi-Key
  C84: Supplier 1=Digi-key
C75: "SMD Capacitor", Manufacturer=Murata, Supplier Part Number 1=490-10481-1-ND, Tolerance=10%, Voltage=16V, Material=X5R, P/N=GRM188R61C475KAAJD, Supplier 1=Digi-key, Supplier 2=Mouser, Supplier 3=Farnell, Supplier Part Number 2=81-GRM188R61C475KAJD, Type="Ceramic Capacitor"
C76 C83 C87 C94 C101: "SMD Capacitor", Manufacturer=Murata, Supplier Part Number 1=490-11595-1-ND, Tolerance=10%, Voltage=10V, Material=X7R, P/N=GRM21BR71A105KA01K, Supplier 1=Digi-key, Supplier 2=Mouser, Supplier 3=Farnell, Supplier Part Number 2=81-GRM40X105K10K, Type="Ceramic Capacitor"
C81 C92 C99: "SMD Capacitor", Manufacturer=Murata, Supplier Part Number 1=490-3390-1-ND, Tolerance=20%, Voltage=6.3V, Material=X5R, P/N=GRM32ER60J107ME20L, Supplier 1=Digi-key, Supplier 2=Mouser, Supplier 3=Farnell, Supplier Part Number 2=81-GRM32ER60J107ME20, Type="Ceramic Capacitor"
C82: "SMD Capacitor", Manufacturer=Murata, Supplier Part Number 1=490-1459-1-ND, Tolerance=±5%, Voltage=50V, Material=NP0, P/N=GRM1885C1H222JA01D, Supplier 1=Digi-key, Supplier 2=Mouser, Supplier 3=Farnell, Supplier Part Number 2=81-GRM1885C1H222JA01, Type="Ceramic Capacitor"
C85: "SMD Capacitor", Manufacturer=Murata, Supplier Part Number 1=490-6473-1-ND, Tolerance=±10%, Voltage=16V, Material=X5R, P/N=GRM21BR61C106KE15K, Supplier 1=Digi-key, Supplier 2=Mouser, Supplier 3=Farnell, Supplier Part Number 2=81-GRM21BR61C106KE5K, Type="Ceramic Capacitor"
C86: "SMD Capacitor", Manufacturer=Murata, Supplier Part Number 1=490-4763-1-ND, Tolerance=10%, Voltage=50V, Material=X7R, P/N=GCM155R71H223KA55D, Supplier 1=Digi-key, Supplier 2=Mouser, Supplier 3=Farnell, Supplier Part Number 2=81-GCM155R71H223KA5D, Type="Ceramic Capacitor"
D1 D9: library part AD79x2, "1 MSPS, 10-/12-Bit ADC", Manufacturer="Analog Device", Package=MSOP-8, Supplier Part Number 1=505-AD7922ARMZ-ND, Voltage="2.35 V to 5.25 V", Fast throughput rate=1MHz, High speed serial interface="SPI®/QSPI™/MICROWIRE™/DSP compatible", Name=AD7922ARM, P/N=AD7922ARMZ, Supplier 1=Digi-key, Supplier 2=Mouser, Supplier 3=Farnell, Supplier Part Number 2=584-AD7922ARMZ, Type="2-Channel, 2.35 V to 5.25 V,1 MSPS, 10-/12-Bit ADC"
D2: "50MHz to 3GHz monolithic RF power / detector", Frequency Range="50 to 3000 MHz", Manufacturer="Linear Technology", Package="6-Lead SC70", RF Input Power Range="–63 to–3dBm", Supplier Part Number 1=LT5534ESC6#TRMPBFCT-ND, Voltage="Single 2.7V to 5.25V", Impedance=2kΩ, Name=LT5534, P/N=LT5534, Supplier 1=Digi-Key, Supplier 2=Mouser, Supplier 3=Farnell, Supplier Part Number 2=584-LT5534ESC6TRMPBF, Supplier Part Number 3=4029917RL, Type="RF Power Detector"
D3: "Automotive-Grade, High-Side, Current-Output, Current-Shunt Monitor", Frequency Range=800kHz, Manufacturer="Texas Instruments", Package="TSSOP (8)", Supplier Part Number 1=296-17201-1-ND, Voltage="2.7 V to 60 V", Voltage Gain=Adjustable, Name=INA168Q, P/N=INA168QPWRQ1, Supplier 1=Digi-Key, Supplier 2=Mouser, Supplier 3=Farnell, Supplier Part Number 2=595-INA168QPWRQ1, Type="Current-Shunt Monitor"
D4: "50Ω, HaRP™ technology-enhanced / fast switching 2-bit RF Digital Step Attenuator", Manufacturer="Peregrine Technical Solutions", Package="Green 12-lead 3x3 mm QFN", Supplier Part Number 1=1046-1114-6-ND, Name=PE43205, P/N=PE43205, Supplier 1=Digi-Key, Supplier 2=Mouser, Supplier 3=Farnell, Supplier Part Number 2=81-PE43205B-Z, Type="2-bit, 18 dB"
D5: "PHEMT based wideband, low noise MMIC amplifier", Frequency Range="0.4 to 8.0 GHz", Manufacturer=Mini-Circuits, Package=DQ1225, Supplier Part Number 1=3157-PMA3-83LNW+CT-ND, Impedance=50Ω, Name=PMA3-83LNW+, P/N=PMA3-83LNW+, Supplier 1=Digi-Key, Supplier 2=Mouser, Supplier 3=Farnell, Supplier Part Number 2=139-PMA3-83LNW, Type=LNA
D6: "The PE43711 is a 50Ω, HaRP™ technology-enhanced, 7-bit RF digital step attenuator", Manufacturer="Peregrine Technical Solutions", Package="24-lead 4 × 4 × 0.85 mm QFN", Supplier Part Number 1=1046-1138-1-ND, Name=PE43711, P/N=PE43711B-Z, Supplier 1=Digi-Key, Supplier 2=Mouser, Supplier 3=Farnell, Supplier Part Number 2=81-PE43711B-Z, Type="7-bit RF digital step attenuator (DSA)"
D7: "Quadrature Demodulator", Manufacturer="Analog Devices", Package="32-Lead 5mm × 5mm QFN", Supplier Part Number 1=LTC5594IUH#TRPBF-ND, Temperature Range="–40°C to 125°C", Name=LTC5594, P/N=LTC5594IUH#PBF, Supplier 1=Digi-Key, Supplier 2=Mouser, Supplier 3=Farnell, Supplier Part Number 2=584-LTC5594IUHPBF, Supplier Part Number 3=4034017, Type="High Linearity  I/Q Demodulator"
D8: library part LTC6948, "The LTC®LTC6948 is a high performance, low noise, 6.39GHz  phase-locked loop (PLL)", Manufacturer="Linear Technology", Package="28-QFN (4x5)", Supplier Part Number 1=505-LTC6948IUFD-1#TRPBFCT-ND, Temperature Range="-40°C ~ 105°C", Voltage="3.15 V ~ 5.25 V", Name=LTC6948-1, P/N=LTC6948IUFD-1, Supplier 1=Digi-Key, Supplier 2=Mouser, Supplier 3=Farnell, Supplier Part Number 2=584-LTC6948IUFD-1PBF, Type="Clock/Frequency Synthesizer (RF/IF), Integer N"
D10 D12 D13: "LP5912 500-mA Low-Noise, Low-IQ LDO", Current=500mA, Manufacturer="Texas Instruments", Package=WSON, Supplier Part Number 1=296-52224-1-ND, Temperature Range="–40°C to 125°C", Voltage=5.0V, Name=LP5912-5.0DRVT, P/N=LP5912-5.0DRVT, Supplier 1=Digi-key, Supplier 2=Mouser, Supplier 3=Farnell, Supplier 4="Arrow Electronics", Supplier Part Number 2=595-LP5912-5.0DRVT, Supplier Part Number 4=LP5912-5.0DRVT, Type="Low-Noise LDO"
D11 D15: "LP5912 500-mA Low-Noise, Low-IQ LDO", Current=500mA, Manufacturer="Texas Instruments", Package=WSON, Supplier Part Number 1=296-44153-2-ND, Temperature Range="–40°C to 125°C", Voltage=3.3V, Name=LP5912-3.3DRVT, P/N=LP5912-3.3DRVT, Supplier 1=Digi-key, Supplier 2=Mouser, Supplier 3=Farnell, Supplier Part Number 2=595-LP5912-3.3DRVT, Type="Low-Noise LDO"
D14: "10-A Fully-Integrated Synchronous Boost with Load Disconnect Control", Current="10 A", Manufacturer="Texas Instruments", Package="13-VQFN-HR (3.5x3.0)", Supplier Part Number 1=296-46568-1-ND, Temperature Range="–40°C to 125°C", Voltage="4.5 V to 20 V", Name=TPS611781, P/N=TPS611781RNW, Supplier 1=Digi-Key, Supplier 2=Mouser, Supplier 3=Farnell, Supplier Part Number 2=595-TPS611781RNWT, Type="Synchronous Boost"
D16: "CoolRunner-II 1.8V, 256 Macrocell CPLD, 184 User I/Os, 256-Ball FTBGA, Commercial Grade, Pb-Free", Supplier Part Number 1=122-1400-ND, Code_JEDEC=MS-034-AAF-1*, DatasheetVersion="ver3.2, Mar-2007", Name=XC2C256-7FTG256C, P/N=XC2C256-7FTG256C, PackageDescription="256-Ball Fine Pitch Thin Ball Grid Array 1.00 mm Pitch (FTG256) - Pb-Free", PackageReference=FTG256, PackageVersion="ver1.3, Oct-2007", PartNumber=XC2C256-7FTG256C, Supplier 1=Digi-key, Supplier 2=Mouser, Supplier 3=Farnell, Supplier Part Number 2=217-XC2C256-7FTG256C, Type=CPLD
D17: "I2C EEPROM", Capacity=2kbit, Manufacturer=Microchip, Package=SOIC-8, Supplier Part Number 1=24LC024HT-I/SNCT-ND, Voltage=2.5-5.5V, Max Clock="400 kHz", Name=24LC024, P/N=24LC024HT-I/SN, Supplier 1=Digi-key, Supplier 2=Mouser, Supplier 3=Farnell, Supplier Part Number 2=579-24LC024HT-I/SN, Type="I2C EEPROM"
H1: library part LED, "CHIP LED LAMP", Color=Orange, Manufacturer=Kingbright, Package="2.0 x 1.25 mm SMD", Supplier Part Number 1=754-1096-1-ND, Name=APHCM2012, P/N=APHCM2012SECK-F01, Supplier 1=Digi-key, Supplier 2=Mouser, Supplier 3=Farnell, Supplier Part Number 2=604-APHCM2012SECK, Type="CHIP LED LAMP"
H2 H3: library part LED, "CHIP LED LAMP", Color=Green, Manufacturer=Kingbright, Package="2.0 x 1.25 mm SMD", Supplier Part Number 1=754-1094-1-ND, Name=APHCM2012, P/N=APHCM2012CGCK-F01, Supplier 1=Digi-Key, Supplier 2=Mouser, Supplier 3=Farnell, Supplier Part Number 2=604-APHCM2012CGCK, Type="CHIP LED LAMP"
L1: "Chip SMD Inductor", Current=510mA, Frequency=1.8GHz, Manufacturer=Coilcraft, Temperature Range=-25…85°C, Tolerance=2%, Name=0603HP-82NXGL, P/N=0603HP-82NXGL, Series=0603HP, Supplier 1=Digi-key, Supplier 2=Mouser, Supplier 3=Farnell, Supplier Part Number 2=994-0603HP-82NXGLW, Supplier Part Number 3=2286167
L2: "Chip SMD Inductor", Current=1200mA, Frequency=3.30GHz, Manufacturer=Coilcraft, Temperature Range=-25…85°C, Tolerance=2%, Name=0603HP-18NXG, P/N=0603HP-18NXGRW, Series=0603HP, Supplier 1=Digi-key, Supplier 2=Mouser, Supplier 3=Farnell, Supplier Part Number 2=994-0603HP-18NXGRW, Supplier Part Number 3=2286149
L3 L4 L5 L6: "Chip SMD Inductor", Current=320mA, Frequency=1.84GHz, Manufacturer=Coilcraft, Temperature Range=-25…85°C, Tolerance=2%, Name=0402HPH-68NXGL, P/N=0402HPH-68NXGLW, Series=0402HP, Supplier 1=Digi-key, Supplier 2=Mouser, Supplier 3=Farnell, Supplier Part Number 2=994-0402HPH-68NXGLW, Supplier Part Number 3=2285859
L7 L8 L9 L10 L13 L14 L16 L17: "Chip SMD Inductor", Current=310mA, Frequency=1.25GHz, Manufacturer=Coilcraft, Temperature Range=-25…85°C, Tolerance=2%, Name=0402HPH-R12XGL, P/N=0402HPH-R12XGLW, Series=0402HP, Supplier 1=Digi-key, Supplier 2=Mouser, Supplier 3=Farnell, Supplier Part Number 2=994-0402HPH-R12XGLW, Supplier Part Number 3=2285863
L11 L12: "Chip SMD Inductor", Current=310mA, Frequency=1.5GHz, Manufacturer=Coilcraft, Temperature Range=-25…85°C, Tolerance=2%, Name=0603HP-R18XG, P/N=0603HP-R18XGL, Series=0603HP, Supplier 1=Digi-key, Supplier 2=Mouser, Supplier 3=Farnell, Supplier Part Number 2=994-0603HP-R18XGLW, Supplier Part Number 3=2286173
L15: "Chip SMD Inductor", Current=240mA, Frequency=32MHz, Manufacturer=Coilcraft, Temperature Range=-25…85°C, Tolerance=2%, DCR=1.82Ω, Name=1008LS, P/N=1008LS-562XJLC, Series=1008LS, Supplier 1=Digi-key, Supplier 2=Mouser, Supplier 3=Farnell, Supplier Part Number 2=994-1008LS-562XJLC, Supplier Part Number 3=2286847
L18: "Chip SMD Inductor", Current=2.7A, Frequency=235MHz, Manufacturer=Coilcraft, Temperature Range=-40…85°C, Tolerance=10%, Name=4310LC-132KE_, P/N=4310LC-132KE_, Series=4310LC, Supplier 1=Digi-key, Supplier 2=Mouser, Supplier 3=Farnell, Supplier Part Number 2=994-4310LC-132KEC
L19: "Magnetic-Core Inductor", Current=5.9A, Manufacturer=Coilcraft, Temperature Range="-40ºC to 125ºC", Tolerance=±30%, Name=XEL4020-222MEC, P/N=XEL4020-222MEC, Supplier 1=Digi-key, Supplier 2=Mouser, Supplier 3=Farnell, Supplier Part Number 2=994-XEL4020-222MEC, Supplier Part Number 3=2836818
L20: "Magnetic-Core Inductor", Current=5A, Manufacturer=Coilcraft, Temperature Range="-40ºC to 125ºC", Tolerance=±30%, Name=XEL4030-472MEC, P/N=XEL4030-472MEC, Supplier 1=Digi-key, Supplier 2=Mouser, Supplier 3=Farnell, Supplier Part Number 2=994-XEL4030-472MEC, Supplier Part Number 3=2836831
L21 L22 L23: "Inductor Power Lines", Current=2500mA, Frequency=100MHz, Manufacturer=Murata, Supplier Part Number 1=490-12035-1-ND, Temperature Range="-25ºC to 85ºC", Tolerance=5%, Name=LQH32PN1R0NNC, P/N=LQH32PN1R0NNC, Series=LQH, Supplier 1=Digi-key, Supplier 2=Mouser, Supplier 3=Farnell, Supplier Part Number 2=81-LQH32PN1R0NNCL
M1 M2 M3 M4 M5 M6 M7 M8: library part "Mechanical Via", "Mechanical Via", Supplier 4=Digi-key, Supplier 5=Mouser, Supplier 6=Farnell
Q1: "P-Channel MOSFET", Channel Resistance="54 mΩ", Current=4.3A, Package=SOT-23, Power Dissipation=1.3W, Supplier Part Number 1=IRLML2244TRPBFCT-ND, Voltage=-20V, Name=IRLML2244, P/N=IRLML2244TRPBF, Supplier 1=Digi-key, Supplier 2=Mouser, Supplier 3=Farnell, Supplier Part Number 2=942-IRLML2244TRPBF, Supplier Part Number 3=2468051, Type="P-Channel Mosfet"
R1 R7: "SMD Resistor", Power="0.062 Wt", Supplier Part Number 1=P1.0KJCT-ND, Temperature Range=-55…155°C, Tolerance=5%, Name="Chip SMD Resistor", P/N=ERJ-2GEJ102X, Supplier 1=Digi-key, Supplier 2=Mouser, Supplier 3=Farnell, Supplier Part Number 2=667-ERJ-2GEJ102X
R2 R8 R10: "SMD Resistor", Manufacturer="Panasonic Electronic Components", Power="0.063 Wt", Supplier Part Number 1=P15987CT-ND, Temperature Range=-55…155°C, Tolerance=0.5%, Name="Chip SMD Resistor", P/N=ERJ-2RKD49R9X, Supplier 1=Digi-key, Supplier 2=Mouser, Supplier 3=Farnell, Supplier Part Number 2=667-ERJ-2RKD49R9X
R3: "SMD Resistor", Manufacturer="Panasonic Electronic Components", Power="1/5 Wt", Supplier Part Number 1=P17236CT-ND, Temperature Range=-55…155°C, Tolerance=1%, Name="Chip SMD Resistor", P/N=ERJ-PA2F1003X, Supplier 1=Digi-key, Supplier 2=Mouser, Supplier 3=Farnell, Supplier Part Number 2=667-ERJ-PA2F1003X
R4 R5 R32: "SMD Resistor", Power="0.062 Wt", Supplier Part Number 1=P68JCT-ND, Temperature Range=-55…155°C, Tolerance=5%, Name="Chip SMD Resistor", P/N=ERJ-2GEJ680X, Supplier 1=Digi-key, Supplier 2=Mouser, Supplier 3=Farnell, Supplier Part Number 2=667-ERJ-2GEJ680X
R6: "SMD Resistor", Manufacturer="Panasonic Electronic Components", Power="1/2 Wt", Supplier Part Number 1=P19308CT-ND, Temperature Range=-55…155°C, Tolerance=1%, Name="Chip SMD Resistor", P/N=ERJ-6DSFR10V, Supplier 1=Digi-key, Supplier 2=Mouser, Supplier 3=Farnell, Supplier Part Number 2=667-ERJ-6DSFR10V
R9 R90: "SMD Resistor", Power="0.1 Wt", Supplier Part Number 1=P33.0LCT-ND, Temperature Range=-55…155°C, Tolerance=1%, Name="Chip SMD Resistor", P/N=ERJ-2RKF33R0X, Supplier 1=Digi-key, Supplier 2=Mouser, Supplier 3=Farnell, Supplier Part Number 2=667-ERJ-2RKF33R0X
R11: "SMD Resistor", Manufacturer="Panasonic Electronic Components", Power="0.063 Wt", Supplier Part Number 1=P40.2KLCT-ND, Temperature Range=-55…155°C, Tolerance=1%, Name="Chip SMD Resistor", P/N=ERJ-2RKF4022X, Supplier 1=Digi-key, Supplier 2=Mouser, Supplier 3=Farnell, Supplier Part Number 2=667-ERJ-2RKF4022X
R12 R16 R21 R26: "SMD Resistor", Manufacturer="Panasonic Electronic Components", Power="0.063 Wt", Supplier Part Number 1=P68.1DCCT-ND, Temperature Range=-55…155°C, Tolerance=0.1%, Name="Chip SMD Resistor", P/N=ERA-2AEB68R1X, Supplier 1=Digi-key, Supplier 2=Mouser, Supplier 3=Farnell, Supplier Part Number 2=667-ERA-2AEB68R1X
R13 R18 R22 R28: "SMD Resistor", Manufacturer="Panasonic Electronic Components", Power="0.063 Wt", Supplier Part Number 1=P200DCCT-ND, Temperature Range=-55…155°C, Tolerance=0.1%, Name="Chip SMD Resistor", P/N=ERA-2AEB201X, Supplier 1=Digi-key, Supplier 2=Mouser, Supplier 3=Farnell, Supplier Part Number 2=667-ERA-2AEB201X
R14 R24: "SMD Resistor", Manufacturer="Panasonic Electronic Components", Power="1/5 Wt", Supplier Part Number 1=P124516CT-ND, Temperature Range=-55…155°C, Tolerance=1%, Name="Chip SMD Resistor", P/N=ERJ-PA2F91R0X, Supplier 1=Digi-key, Supplier 2=Mouser, Supplier 3=Farnell, Supplier Part Number 2=667-ERJ-PA2F91R0X